# Altium PCB Copy of drac_v3.PcbDoc (part 5 of 5)
Units mm, origin at the board's own origin, x right, y up, seen from the top; angles counter-clockwise.
Board outline 160 x 214.5 mm, 6 copper layers (Top Layer, Mid Layer 1, Mid Layer 2, Mid Layer 3, Mid Layer 4, Bottom Layer), stack 1.597 mm thick; 433 components, 257 nets, 1445 pads, 774 vias.
Unrouted connection lines stored in the file: 474.
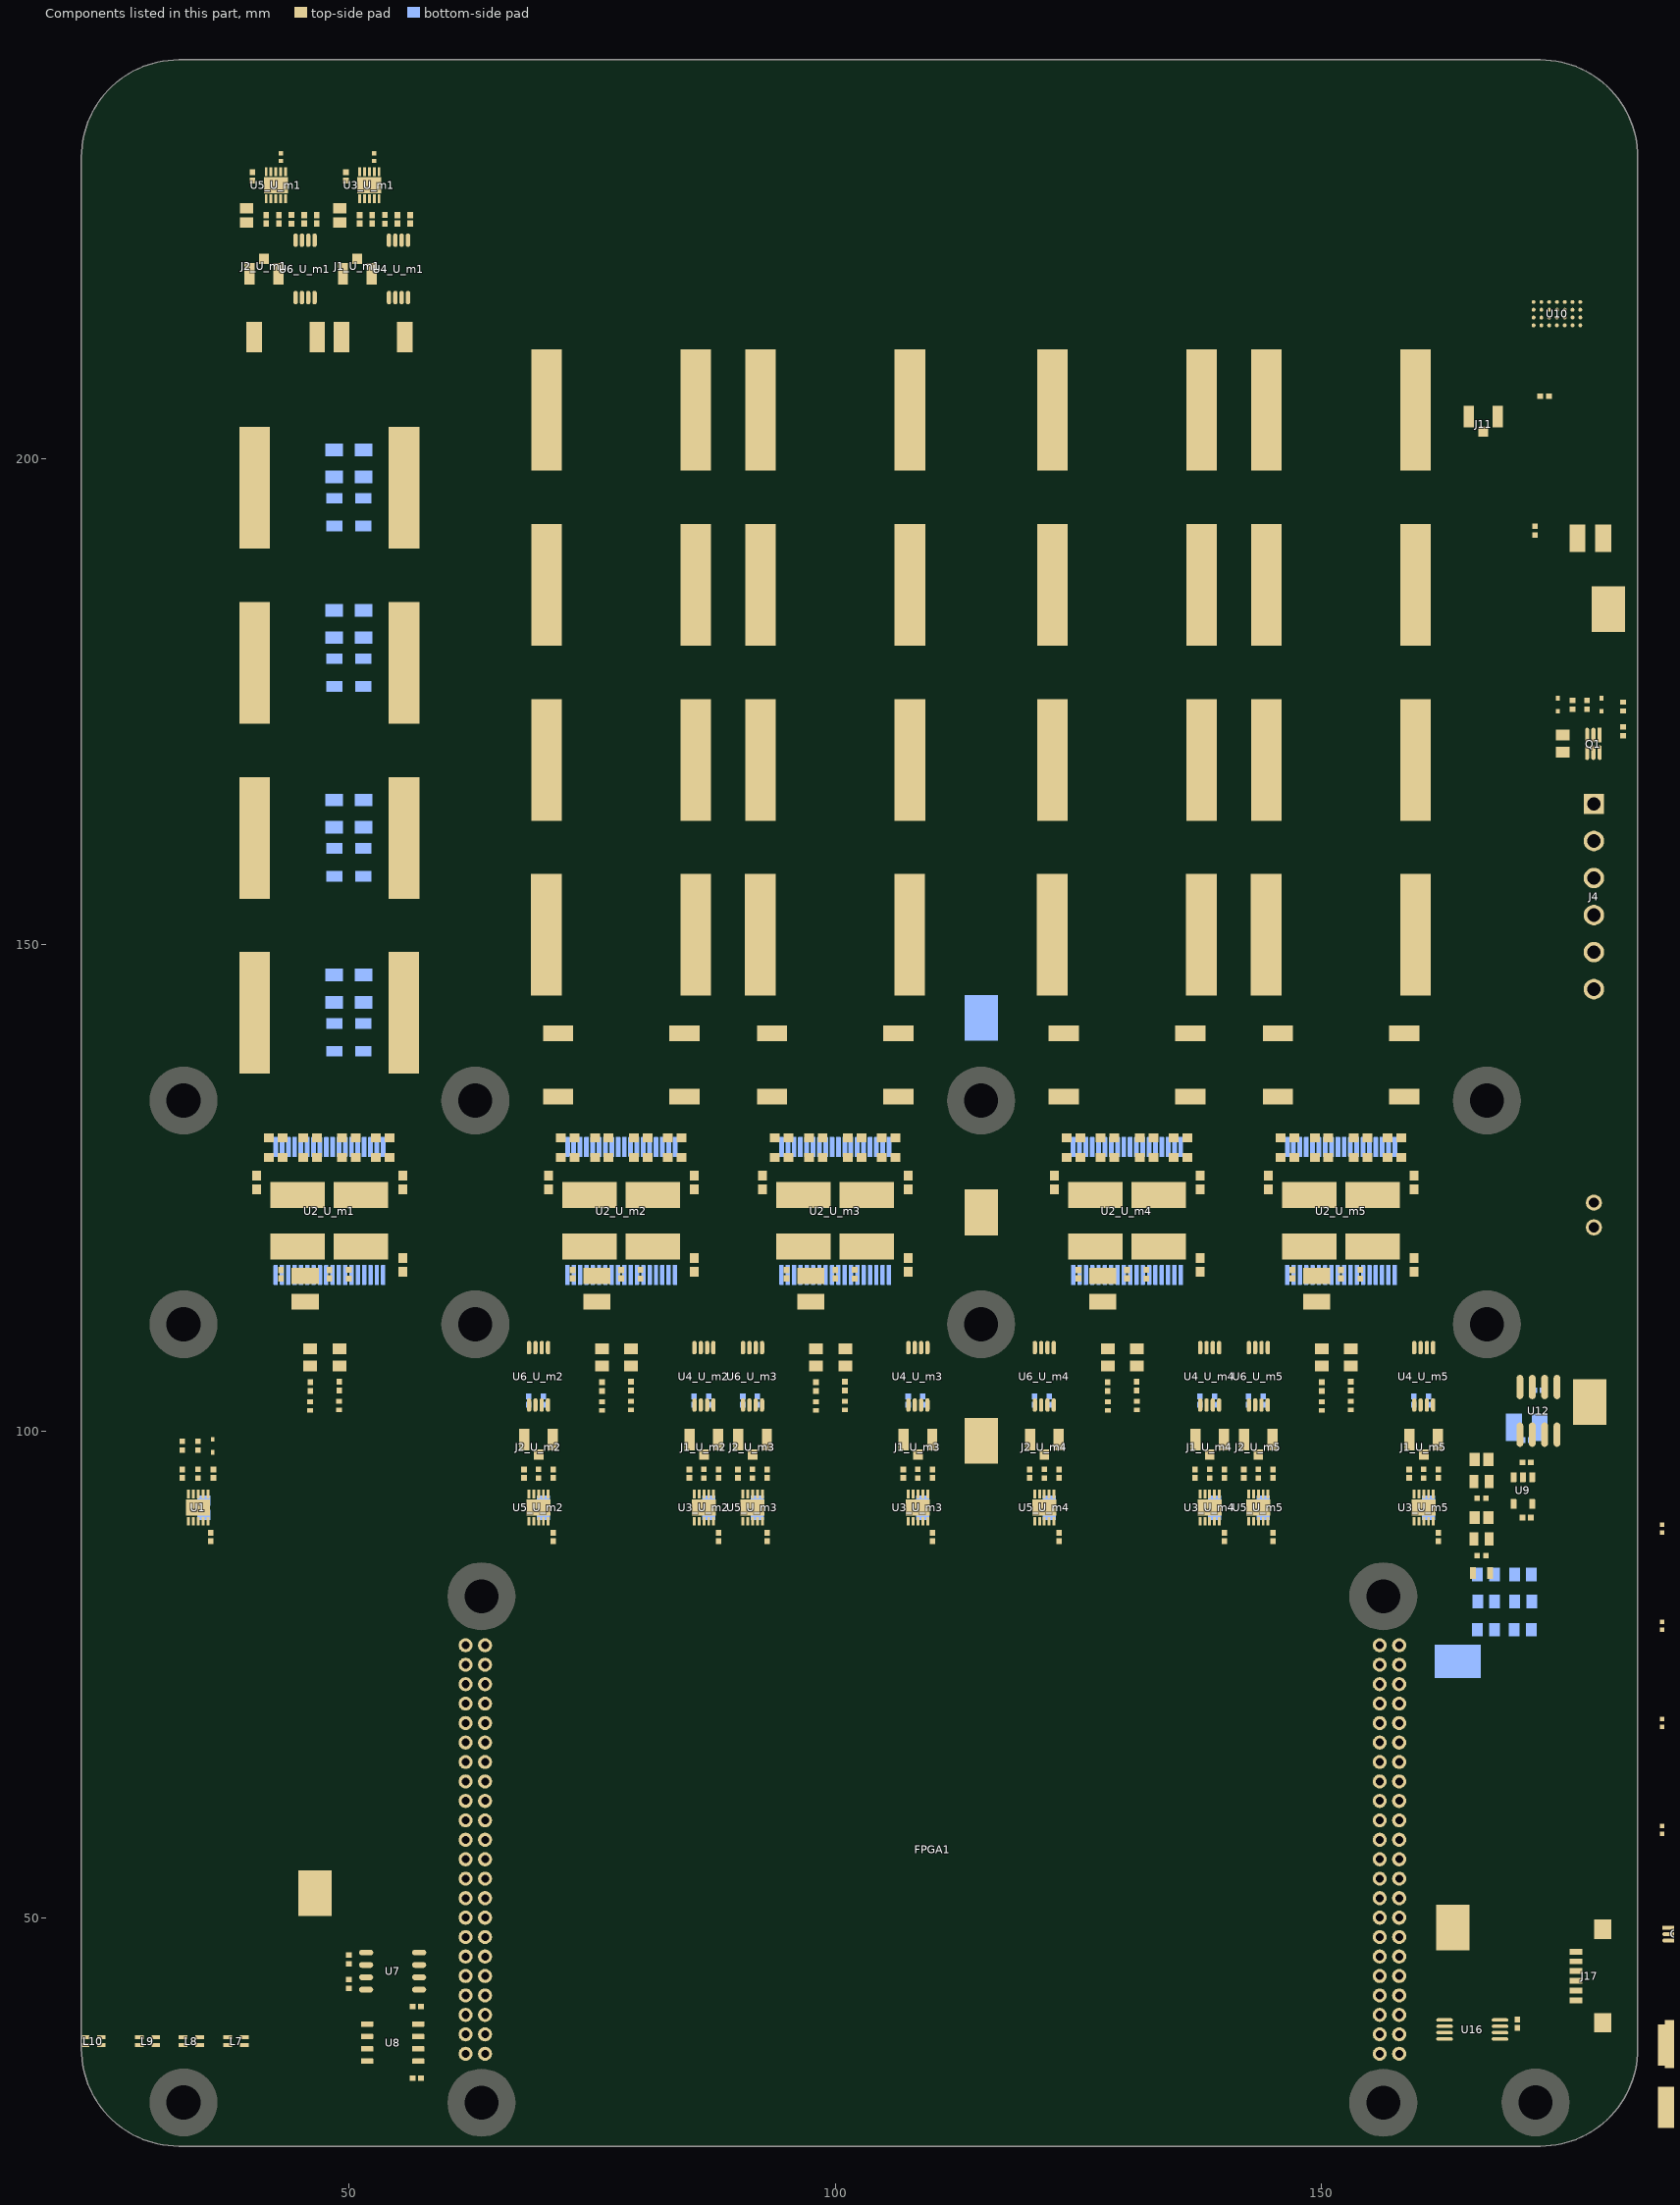
[diagram p7: the components of this part, seen from the top]

## Silkscreen, mask and mechanical layers (free items; w line width, h text height)
Top Overlay:
  drawing of 490 lines, arcs and shapes, not listed
  text "Robot Comm" at 70,301 h4 r180
  text "Robot Power" at 124,301 h4 r180
  text "EN   S2   S1   GND   12V" at 165,297 h2 r180
  text "dRAC" at 25.725,209.9 h9 r270
  text "ESPM 6V" at 163.5,207.015 h2
  text "v2.0 2021-02 / Johns Hopkins University" at 25.425,191.8 h2 r270
  text "FPGA / PWR EN" at 176,176 h2
  text "48V 48V GND GND GND /ON" at 174.5,144 h2 r90
  text "48V" at 60.5,124 h2 r90
  text "GND 12V" at 174.5,119 h2 r90
  text "12V" at 60.5,118 h2 r90
  text "B2" at 40.025,106.098 h2
  text "B3" at 52.025,106.098 h2
  text "VDDA" at 60.5,101 h2 r90
  text "Vref" at 60.485,95.5 h2 r90
  text "3" at 73.025,94.598 h3.5
  text "4" at 79.025,94.598 h3.5
  text "5" at 95.025,94.598 h3.5
  text "6" at 101.025,94.598 h3.5
  text "7" at 125.025,94.598 h3.5
  text "8" at 131.025,94.598 h3.5
  text "9" at 147.025,94.598 h3.5
  text "A" at 153.025,94.598 h3.5
  text "B1" at 73.025,92.098 h2
  text "M1" at 79.025,92.098 h2
  text "M5" at 95.025,92.098 h2
  text "M2" at 101.025,92.098 h2
  text "M6" at 125.025,92.098 h2
  text "M3" at 131.025,92.098 h2
  text "M7" at 147.025,92.098 h2
  text "M4" at 153.025,92.098 h2
  text "1.8V" at 60.485,89.5 h2 r90
  text "Front Panel" at 174.5,38.5 h2 r90
Mechanical 1:
  lines w0.254: 20.5,310.5 184,310.5 ; 29.5,125.5 29.5,245 ; 152,88.148 152,214.648 ; 175.5,299.5 175.5,318.5 ; 48,88.148 48,255 ; 48,88.148 48,255 ; 48,88.148 48,255 ; 48,88.148 48,255 ; 78,88.148 78,214.648 ; 78,88.148 78,214.648 ; 78,88.148 78,214.648 ; 78,88.148 78,214.648 ; 78,88.148 78,214.648 ; 100,88.148 100,214.648 ; 100,88.148 100,214.648 ; 100,88.148 100,214.648 ; 100,88.148 100,214.648 ; 130,88.148 130,214.648 ; 130,88.148 130,214.648 ; 130,88.148 130,214.648 ; 130,88.148 130,214.648

## Text inside footprints (layer, text, board x,y; h text height)
FPGA1: Top Overlay "J2" at 60.275,34.065 h1 r180; Top Overlay "J1" at 153.025,36.4 h1 r180; Top Overlay "43" at 60.841,77.384 h0.81 r90; Top Overlay "44" at 65.095,78.717 h0.81 r270; Top Overlay "44" at 159.139,78.717 h0.81 r270; Top Overlay "43" at 154.821,77.384 h0.81 r90; Top Overlay "10" at 65.159,44.587 h0.81 r270; Top Overlay "5" at 60.841,39.855 h0.81 r90; Top Overlay "15" at 60.841,49.507 h0.81 r90; Top Overlay "25" at 60.841,59.413 h0.81 r90; Top Overlay "35" at 60.841,69.446 h0.81 r90; Top Overlay "1" at 60.587,35.791 h0.81 r90; Top Overlay "20" at 65.159,54.587 h0.81 r270; Top Overlay "30" at 65.159,64.62 h0.81 r270; Top Overlay "40" at 65.095,74.653 h0.71 r270; Top Overlay "2" at 65.159,36.299 h0.81 r270; Top Overlay "1" at 154.567,35.791 h0.81 r90; Top Overlay "2" at 159.139,36.299 h0.81 r270; Top Overlay "40" at 159.139,74.526 h0.81 r270; Top Overlay "30" at 159.139,64.62 h0.81 r270; Top Overlay "20" at 159.139,54.587 h0.81 r270; Top Overlay "10" at 159.139,44.427 h0.81 r270; Top Overlay "25" at 154.821,59.413 h0.81 r90; Top Overlay "15" at 154.821,49.507 h0.81 r90; Top Overlay "5" at 154.821,39.855 h0.81 r90; Bottom Overlay "J2" at 59.275,34.065 h1 r180; Bottom Overlay "J1" at 151.925,36.35 h1 r180
J3: Top Overlay "15" at 62.02,310.24 h0.8 r180
J16: Top Overlay "26" at 114.52,310.24 h0.8 r180
J17: Top Overlay "1" at 176.2,40.4 h1.02 r90; Top Overlay "6" at 176.2,47.2 h1.02 r90